# Altium PCB DM3370.PcbDoc (part 3 of 9) (continued)
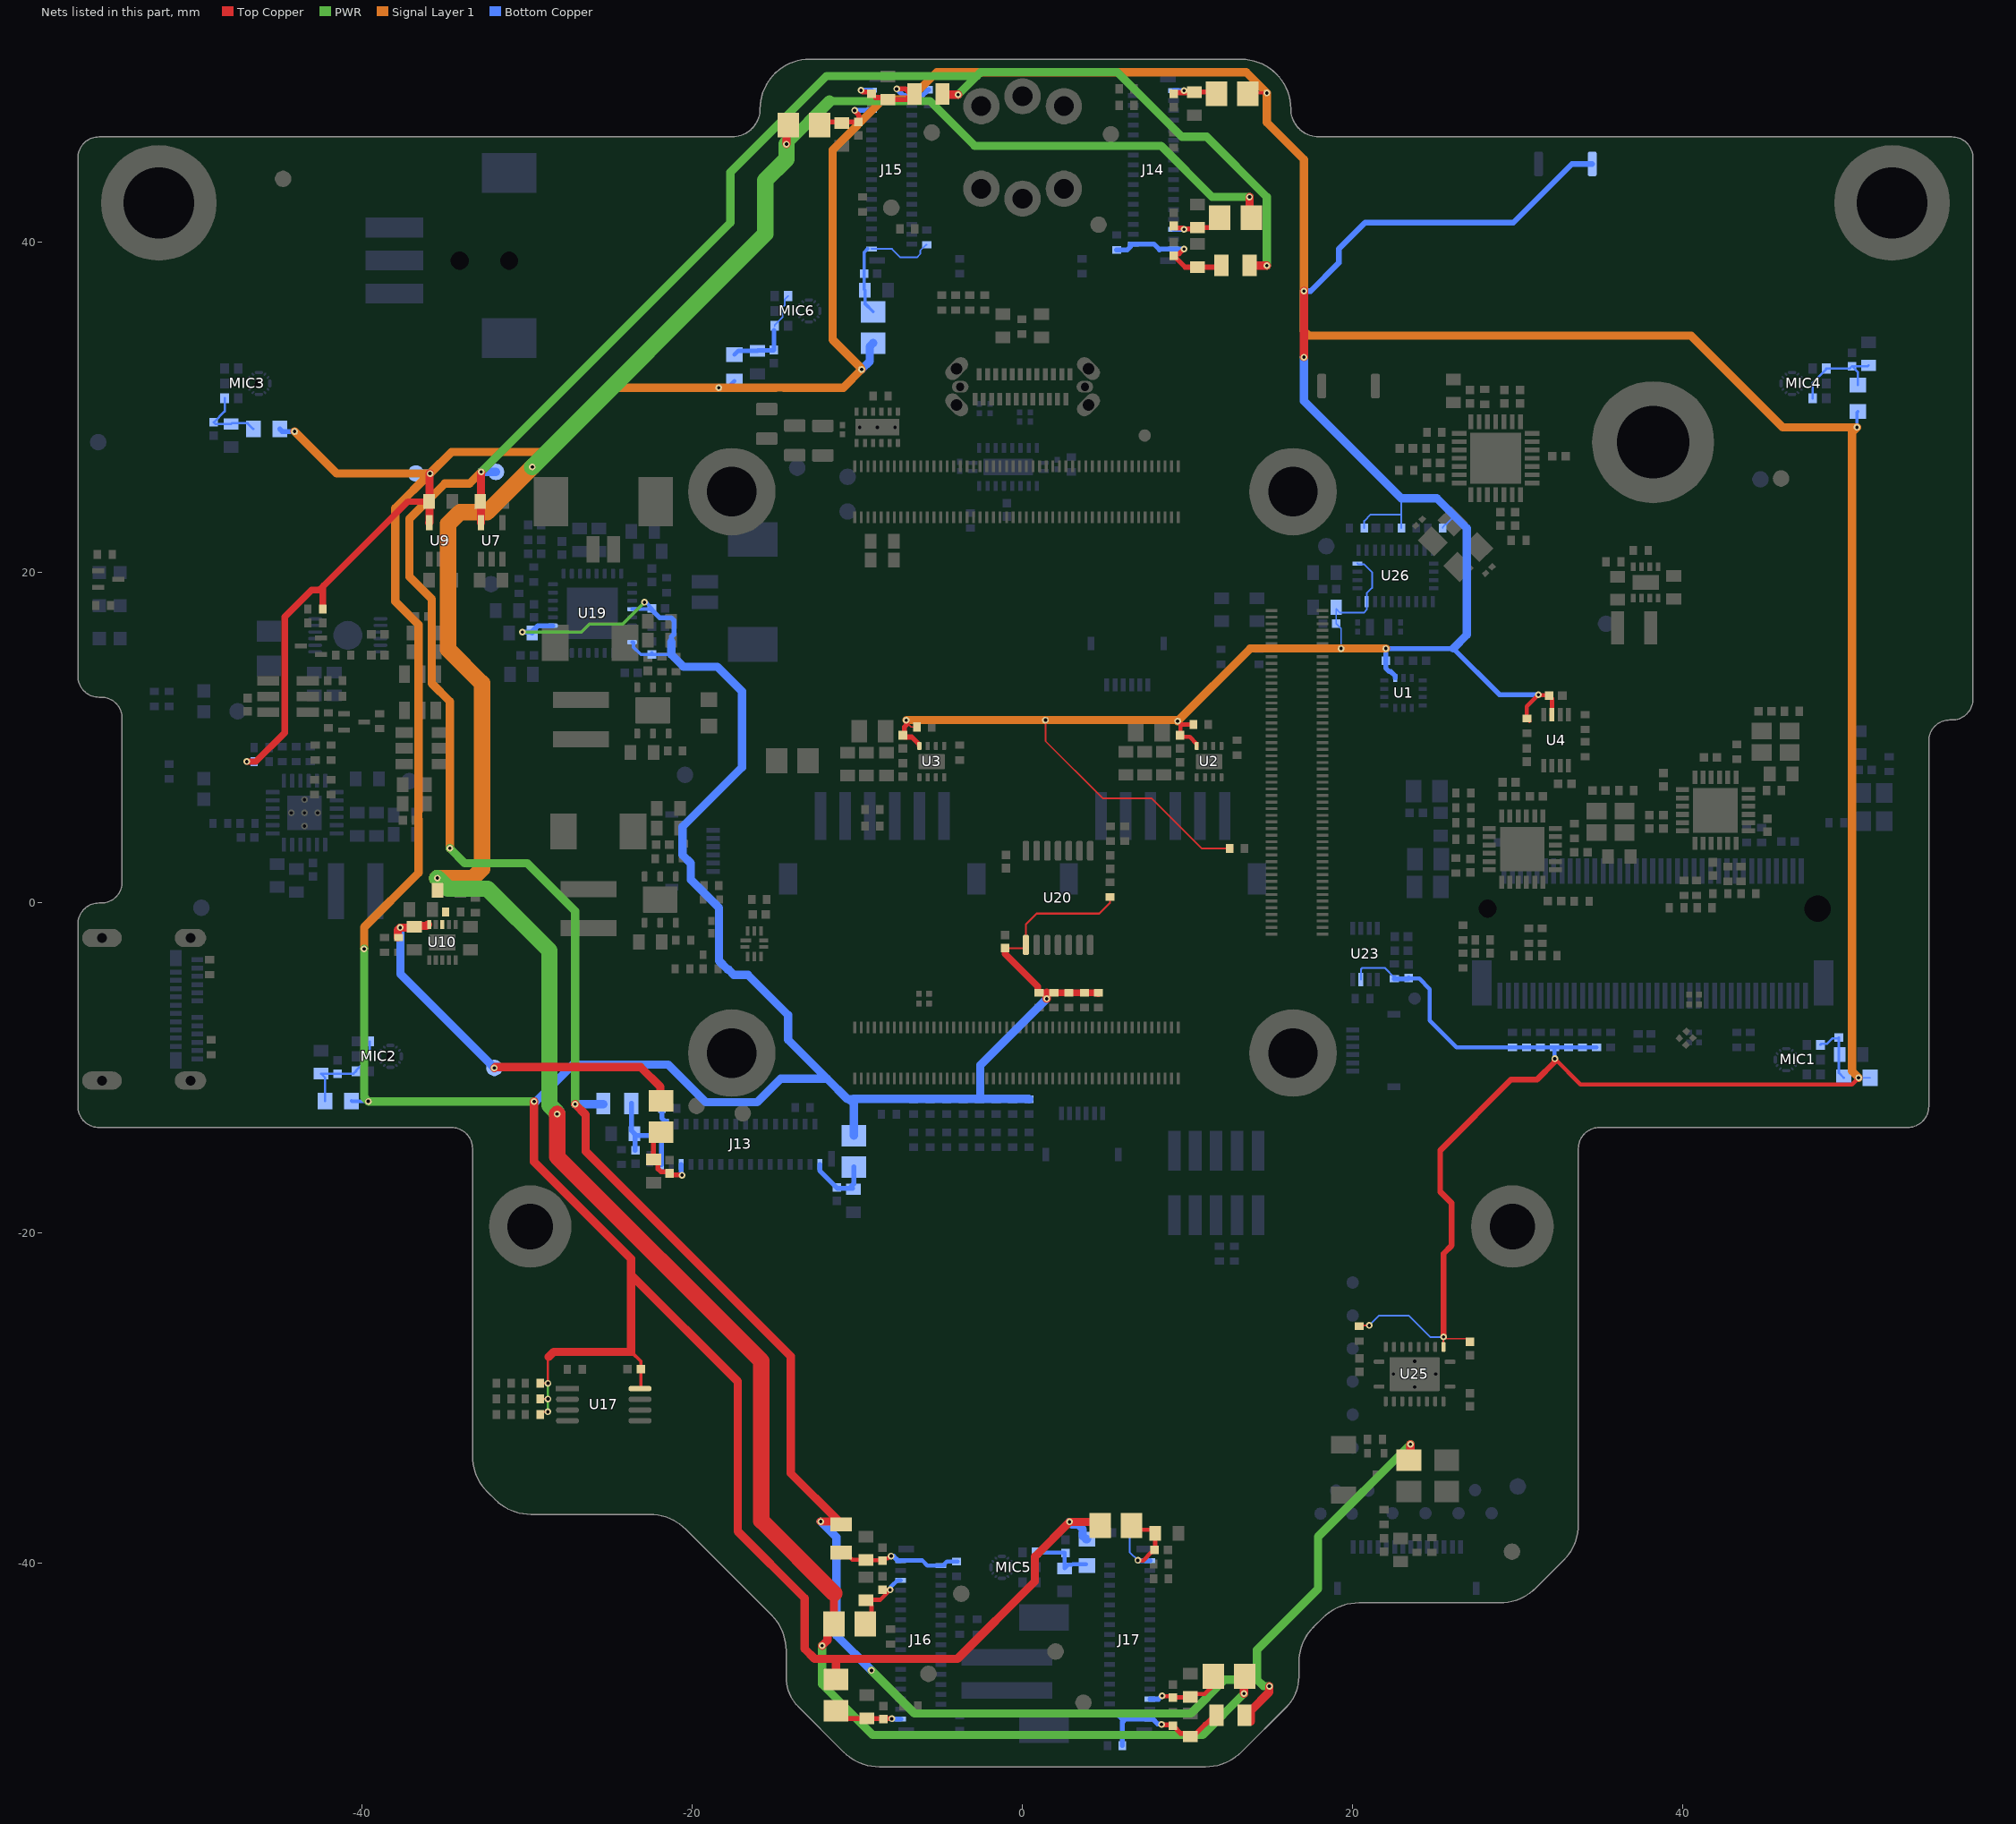
[diagram p7: the nets of this part, all layers, seen from the top]
## Part data (continued)
U15: library part CMP-023-00002-2, "Clock Generator V-QFN4040-24 T&r 3.5K", Manufacturer 1=Diodes, Max Frequency=100MHz, Max Operating Temperature=85°C, Min Operating Temperature=-40°C, Category="Clock Generators, PLLs, Frequency Synthesizers", Design Item ID=PI6CG33201CZDIEX, Input=Crystal, Manufacturer Part Number 1=PI6CG33201CZDIEX, Mount="Surface Mount", Number of Circuits=1, Packaging="Tape and Reel", PLL=Yes, Series="Automotive, AEC-Q100"
U16: library part CMP-007-00037-1, "Two Terminal Constant Current LED Driver PowerDI, 2.5V to 60V, -40 °C to 125 °C", Manufacturer 1=Diodes, Max Operating Temperature=125°C, Max Supply Voltage=60V, Min Operating Temperature=-40°C, Output Current per Channel=20mA, Dimming=PWM, Manufacturer Part Number 1=AL5809-20P1-7, Mount="Surface Mount", Number of Outputs=1, Output Voltage=60V, Packaging="Cut Tape", RoHS Compliant=Yes, Series=-
U17: library part 24AA32A-I/MS, "IC EEPROM 32K I2C 400KHZ 8MSOP Memory IC 32Kb (4K x 8) I²C 400kHz 900ns 8-MSOP", Case/Package=MSOP, Frequency=400kHz, Manufacturer 1=Microchip, Max Operating Temperature=85°C, Max Supply Voltage=5.5V, Min Operating Temperature=-40°C, Min Supply Voltage=1.7V, Nominal Supply Current=3mA, Package Quantity=100, Supplier Part Number 1=24AA32A-I/MS-ND, Access Time=3500ns, ComponentLink1Description=https://datasheet.ciiva.com/16309/filehandler-aspxddocname-en011853-16309808.pdf?src-supplier=Future+Electronics, ComponentLink1URL=https://datasheet.ciiva.com/16309/filehandler-aspxddocname-en011853-16309808.pdf?src-supplier=Future+Electronics, ComponentLink2Description=https://datasheet.ciiva.com/16621/21713l-16621382.pdf?src-supplier=Avnet+Europe, ComponentLink2URL=https://datasheet.ciiva.com/16621/21713l-16621382.pdf?src-supplier=Avnet+Europe, ComponentLink3Description=https://datasheet.ciiva.com/3185/21713l-3185209.pdf?src-supplier=Avnet, ComponentLink3URL=https://datasheet.ciiva.com/3185/21713l-3185209.pdf?src-supplier=Avnet, ComponentLink4Description=https://datasheet.ciiva.com/1154/1688094-1154810.pdf?src-supplier=Element14, ComponentLink4URL=https://datasheet.ciiva.com/1154/1688094-1154810.pdf?src-supplier=Element14, ComponentLink5Description=https://datasheet.ciiva.com/41454/001085239-da-01-en-ic-eeprom-32kbit-24aa32a-i-ms-msop-8-mcp-41454934.pdf?src-supplier=Conrad, ComponentLink5URL=https://datasheet.ciiva.com/41454/001085239-da-01-en-ic-eeprom-32kbit-24aa32a-i-ms-msop-8-mcp-41454934.pdf?src-supplier=Conrad, Contact Plating=Tin,Matte, Density=32Kb, Height=0.85mm, Interface=I2C,Serial,2-Wire, Lead Free="Lead Free", Length=3mm, Manufacturer Part Number 1=24AA32A-I/MS, Max Frequency=400kHz, Memory Size=32Kb, Memory Type=EEPROM, Mount="Surface Mount", Number of Pins=8, Packaging=Rail/Tube, Pricing 1="1=0.39000, 25=0.38120, 100=0.36050 (USD)", Radiation Hardening=No, REACH SVHC="No SVHC", RoHS=Yes, Stock 1=4213, Supplier 1=Digi-Key, Supplier 2=Mouser, Supplier 3=Newark, Supplier Part Number 2=579-24AA32A-I/MS, Supplier Part Number 3=38AH9658, Width=3mm
U18: library part CMP-019-00056-4, "Power Supply Management Circuit, Fixed, 1 Channel, PDSO12", Manufacturer 1=TI, Manufacturer Part Number 1=BQ27441DRZT-G1B
U19: library part CMP-100-000000-1, "I2S Input, 2.5W/Channel, Low EMI, Stereo, Class D Audio Sub-System with Ground Referenced Headphone Amplifier, 3D Enhancement, and Headphone Sense, 32-pin LLP, Pb-Free", Manufacturer 1="Texas Instruments", PackageTopMarking=NS*UZXYTT*L49450, PowerWise=N, ComponentLink1Description="Datasheet URL", ComponentLink1URL=http://www.ti.com/general/docs/lit/getliterature.tsp?genericPartNumber=LM49450&fileType=pdf, CompType="Audio IC", Design Item ID=LM49450SQ/NOPB, Manufacturer Part Number 1=LM49450SQ/NOPB, PackageDescription="LLP, Quad, 5 x 5 x 0.8mm, 32 Lead, 0.5mm Pitch, No Pullback 3.1 x 3.1 Exposed Pad", PackageReference=RTV0032A, PinCount=32, RoHS=Y, Source=NG2391C-HM.SchLib
U20: library part CMP-104-000008-1, "Interface Circuit, PDSO14", Manufacturer 1="Texas Instruments", Max Operating Temperature=85°C, Max Supply Voltage=3.6V, Min Operating Temperature=-40°C, Min Supply Voltage=1.65V, Package Body Material=Plastic, Package Code=TSSOP, Package Equivalence Code=TSSOP14,.25, Package Shape=Rectangular, Package Style="SMALL OUTLINE, THIN PROFILE, SHRINK PITCHMeter", Peak Reflow Temperature (Cel)=260°C, Power Supplies=1.8/3.3,2.5/5V, Supply Voltage1-Max=5.5V, Supply Voltage1-Min=2.3V, Supply Voltage1-Nom=3.3V, Supply Voltage-Nom=1.8V, Temperature Grade=INDUSTRIAL, Category="Voltage Level Shifters", ComponentLink1Description=https://www.ti.com:443/lit/ds/symlink/txs0104e.pdf?src-supplier=IHS+Markit, ComponentLink1URL=https://www.ti.com:443/lit/ds/symlink/txs0104e.pdf?src-supplier=IHS+Markit, ComponentLink2Description=https://datasheet.ciiva.com/15096/getdatasheetpartid-172988-15096218.pdf?src-supplier=Verical, ComponentLink2URL=https://datasheet.ciiva.com/15096/getdatasheetpartid-172988-15096218.pdf?src-supplier=Verical, ComponentLink3Description=https://datasheet.ciiva.com/1899/txs0104e-1899557.pdf?src-supplier=Digi-Key, ComponentLink3URL=https://datasheet.ciiva.com/1899/txs0104e-1899557.pdf?src-supplier=Digi-Key, ComponentLink4Description=https://datasheet.ciiva.com/1899/txs0104e-1899556.pdf?src-supplier=Digi-Key, ComponentLink4URL=https://datasheet.ciiva.com/1899/txs0104e-1899556.pdf?src-supplier=Digi-Key, ComponentLink5Description=https://datasheet.ciiva.com/1899/txs0104e-1899558.pdf?src-supplier=Digi-Key, ComponentLink5URL=https://datasheet.ciiva.com/1899/txs0104e-1899558.pdf?src-supplier=Digi-Key, ComponentLink6Description=https://datasheet.ciiva.com/14287/txs0104e-14287275.pdf?src-supplier=Avnet, ComponentLink6URL=https://datasheet.ciiva.com/14287/txs0104e-14287275.pdf?src-supplier=Avnet, ComponentLink7Description=https://datasheet.ciiva.com/48702/001073825-da-01-en-ic-4bit-non-inv-txs0104epwr-tssop-14-tid-48702635.pdf?src-supplier=Conrad, ComponentLink7URL=https://datasheet.ciiva.com/48702/001073825-da-01-en-ic-4bit-non-inv-txs0104epwr-tssop-14-tid-48702635.pdf?src-supplier=Conrad, Design Item ID=TXS0104EPWR, Height - Seated (Max)=1.2mm, Interface IC Type="INTERFACE CIRCUIT", JESD-30 Code=R-PDSO-G14, JESD-609 Code=e4, Length=5mm, Manufacturer Part Number 1=TXS0104EPWR, Moisture Sensitivity Level=1, Number of Functions=1, Number of Pins=14, Pricing 1="2000=0,64225 (USD)", Qualification Status="Not Qualified", REACH SVHC=Yes, RoHS=Yes, RoHS Compliant=Yes, Source=NG2391C-HM.SchLib, Stock 1=9849, Surface Mount=Yes, Terminal Finish=Nickel, Terminal Form="Gull Wing", Terminal Pitch=0.65mm, Terminal Position=DUAL, Width=4.4mm
U21: library part CMP-015-00027-1, "USB Bus Controller, CMOS", Manufacturer 1=Microchip, Manufacturer Part Number 1=USB2412-DZK
U22: library part FSUSB42UMX, "IC USB SWITCH DPDT 10UMLP", Manufacturer 1="ON Semiconductor / Fairchild", Max Operating Temperature=85°C, Max Supply Voltage=4.3V, Min Operating Temperature=-40°C, Min Supply Voltage=3V, Nominal Supply Current=1uA, On-State Resistance=6.5R, Output Current=100mA, Package Quantity=1, Supplier Part Number 1=FSUSB42UMXCT-ND, Bandwidth=720MHz, ComponentLink1Description=https://datasheet.ciiva.com/15108/getdatasheetpartid-189033-15108996.pdf?src-supplier=Verical, ComponentLink1URL=https://datasheet.ciiva.com/15108/getdatasheetpartid-189033-15108996.pdf?src-supplier=Verical, ComponentLink2Description=https://datasheet.ciiva.com/1504/1815547-1504946.pdf?src-supplier=Element14, ComponentLink2URL=https://datasheet.ciiva.com/1504/1815547-1504946.pdf?src-supplier=Element14, ComponentLink3Description=https://datasheet.ciiva.com/26074/fsusb42-26074741.pdf?src-supplier=Avnet+Europe, ComponentLink3URL=https://datasheet.ciiva.com/26074/fsusb42-26074741.pdf?src-supplier=Avnet+Europe, ComponentLink4Description=https://datasheet.ciiva.com/1561/fsusb42-1561415.pdf?src-supplier=Farnell, ComponentLink4URL=https://datasheet.ciiva.com/1561/fsusb42-1561415.pdf?src-supplier=Farnell, ComponentLink5Description=https://datasheet.ciiva.com/3233/fsusb42-3233259.pdf?src-supplier=Avnet, ComponentLink5URL=https://datasheet.ciiva.com/3233/fsusb42-3233259.pdf?src-supplier=Avnet, ComponentLink6Description=https://datasheet.ciiva.com/6638/fsusb42-6638604.pdf?src-supplier=Digi-Key, ComponentLink6URL=https://datasheet.ciiva.com/6638/fsusb42-6638604.pdf?src-supplier=Digi-Key, ComponentLink7Description=https://datasheet.ciiva.com/6638/fsusb42-6638607.pdf?src-supplier=Digi-Key, ComponentLink7URL=https://datasheet.ciiva.com/6638/fsusb42-6638607.pdf?src-supplier=Digi-Key, Data Rate=480Mbps, Height=0.5mm, Lead Free="Lead Free", Length=1.4mm, Manufacturer Part Number 1=FSUSB42UMX, Mount="Surface Mount", Number of Channels=1, Number of Inputs=2, Number of Outputs=2, Number of Pins=10, Number of Ports=2, Operating Supply Voltage=4.3V, Packaging="Tape and Reel", Pricing 1="1=0.59000, 10=0.50200, 100=0.34810, 500=0.28120, 1000=0.20755 (USD)", Propagation Delay=0.25ns, Radiation Hardening=No, REACH SVHC="No SVHC", RoHS=Yes, Stock 1=31151, Supplier 1=Digi-Key, Supplier 2=Mouser, Supplier 3=Arrow, Supplier 4=Farnell, Supplier Part Number 2=512-FSUSB42UMX, Supplier Part Number 3=FSUSB42UMX, Supplier Part Number 4=1495467, Supply Type=Single, Termination=SMD/SMT, Throw Configuration=DPDT, Turn-Off Delay Time=25ns, Turn-On Delay Time=30ns, Weight=18.08g, Width=1.8mm
U25: library part CMP-031-00032-1, "IC TRNSLTR BIDIRECTIONAL 20VQFN", Case/Package=VQFN, High Level Output Current=-50mA, Low Level Output Current=50mA, Manufacturer 1="Texas Instruments", Max Operating Temperature=85°C, Max Supply Voltage=5.5V, Min Operating Temperature=-40°C, Min Supply Voltage=1.2V, Package Quantity=1, Quiescent Current=3uA, Category="Integrated Circuits (ICs)", ComponentLink1Description=https://datasheet.ciiva.com/15096/getdatasheetpartid-189651-15096225.pdf?src-supplier=Verical, ComponentLink1URL=https://datasheet.ciiva.com/15096/getdatasheetpartid-189651-15096225.pdf?src-supplier=Verical, ComponentLink2Description=https://datasheet.ciiva.com/22659/1718976-22659572.pdf?src-supplier=Element14, ComponentLink2URL=https://datasheet.ciiva.com/22659/1718976-22659572.pdf?src-supplier=Element14, ComponentLink3Description=https://datasheet.ciiva.com/26185/txs0108e-26185177.pdf?src-supplier=Avnet+Europe, ComponentLink3URL=https://datasheet.ciiva.com/26185/txs0108e-26185177.pdf?src-supplier=Avnet+Europe, ComponentLink4Description=https://datasheet.ciiva.com/14287/txs0108e-14287692.pdf?src-supplier=Avnet, ComponentLink4URL=https://datasheet.ciiva.com/14287/txs0108e-14287692.pdf?src-supplier=Avnet, ComponentLink5Description=https://datasheet.ciiva.com/1899/txs0108e-1899610.pdf?src-supplier=Digi-Key, ComponentLink5URL=https://datasheet.ciiva.com/1899/txs0108e-1899610.pdf?src-supplier=Digi-Key, ComponentLink6Description=https://datasheet.ciiva.com/1899/txs0108e-1899611.pdf?src-supplier=Digi-Key, ComponentLink6URL=https://datasheet.ciiva.com/1899/txs0108e-1899611.pdf?src-supplier=Digi-Key, ComponentLink7Description=https://datasheet.ciiva.com/1899/txs0108e-1899612.pdf?src-supplier=Digi-Key, ComponentLink7URL=https://datasheet.ciiva.com/1899/txs0108e-1899612.pdf?src-supplier=Digi-Key, ComponentLink8Description=https://datasheet.ciiva.com/14287/txs0108e-14287533.pdf?src-supplier=Avnet, ComponentLink8URL=https://datasheet.ciiva.com/14287/txs0108e-14287533.pdf?src-supplier=Avnet, ComponentLink9Description=https://datasheet.ciiva.com/48701/001073880-da-01-en-ic-xlatr-volt-lv-txs0108ergyr-qfn-20-tid-48701964.pdf?src-supplier=Conrad, ComponentLink9URL=https://datasheet.ciiva.com/48701/001073880-da-01-en-ic-xlatr-volt-lv-txs0108ergyr-qfn-20-tid-48701964.pdf?src-supplier=Conrad, Data Rate=60Mbps, Design Item ID=TXS0108ERGYR, Lead Free="Lead Free", Logic Function=Translator, Manufacturer Part Number 1=TXS0108ERGYR, Mount="Surface Mount", Number of Bits=8, Number of Channels=8, Number of Inputs=8, Output Type=Voltage, Packaging="Tape and Reel", Pins=20, Pricing 1="1=1.42000, 10=1.26600, 25=1.20120, 100=0.98670, 250=0.92236, 500=0.81510, 1000=0.64350 (USD)", Propagation Delay=4.8ns, Radiation Hardening=No, REACH SVHC="No SVHC", RoHS=Yes, Source=LuxonisMaster.SchLib, Stock 1=122729, Turn-On Delay Time=312ns, Weight=0.001517oz
U26: "IMU ACCEL/GYRO/MAG I2C 32BIT", Case/Package=LGA, Manufacturer 1="Hillcrest Laboratories", Max Operating Temperature=85°C, Min Operating Temperature=-40°C, Supplier Part Number 1=1888-1006-1-ND, Category="Inertial Measurement Units (IMUs)", ComponentLink1Description=https://www.hillcrestlabs.com/downloads/bno080-datasheet?src-supplier=Digi-Key, ComponentLink1URL=https://www.hillcrestlabs.com/downloads/bno080-datasheet?src-supplier=Digi-Key, ComponentLink2Description=https://www.hillcrestlabs.com/downloads/bno080-migration-guide?src-supplier=Digi-Key, ComponentLink2URL=https://www.hillcrestlabs.com/downloads/bno080-migration-guide?src-supplier=Digi-Key, Manufacturer Part Number 1=BNO085, Mount="Surface Mount", Output Type=SPI,I2C, Packaging="Tape and Reel", Pricing 1="1=11.85000, 5=10.31200, 10=9.28100, 25=8.25000, 50=7.63120, 100=6.60000, 500=6.18750, 1000=5.77500 (USD)", RoHS=No, Sensor Type=Accelerometer,Gyroscope,Magnetometer, Stock 1=11593, Supplier 1=Digi-Key
X1: library part CMP-006-000005-1, "CRYSTAL 24.0000MHZ 10PF SMD", Manufacturer 1=Abracon, Category=Crystals, ComponentLink1Description=https://datasheet.ciiva.com/854/abm8g-854913.pdf?src-supplier=Digi-Key, ComponentLink1URL=https://datasheet.ciiva.com/854/abm8g-854913.pdf?src-supplier=Digi-Key, ComponentLink2Description=https://datasheet.ciiva.com/854/abm8g-854911.pdf?src-supplier=Digi-Key, ComponentLink2URL=https://datasheet.ciiva.com/854/abm8g-854911.pdf?src-supplier=Digi-Key, ComponentLink3Description=https://datasheet.ciiva.com/854/abm8g-854912.pdf?src-supplier=Digi-Key, ComponentLink3URL=https://datasheet.ciiva.com/854/abm8g-854912.pdf?src-supplier=Digi-Key, Design Item ID=ABM8G-24.000MHZ-4Y-T3, Manufacturer Part Number 1=ABM8G-24.000MHZ-4Y-T3, Pricing 1="1=0,67000, 10=0,59600, 50=0,55720, 100=0,49250, 500=0,46656, 1000=0,38880 (USD)", RoHS=Yes, Source=LuxonisMaster.SchLib, Stock 1=4722
Y1: "CRYSTAL 32.7680KHZ 12.5PF SMD", Case/Package=SMD/SMT, Frequency=32.768kHz, Manufacturer 1=Abracon, Manufacturer Part Number 1=ABS05-32.768KHZ-T, Max Operating Temperature=85°C, Min Operating Temperature=-40°C, Tolerance=20ppm, Pins=2

## Free pads (board coordinates)
  round 7 hole 4.3 paste-2: 0(-52.325,42.391) 0(52.675,42.391)
  round 5 hole 2.75 paste-2: 0(-29.825,-19.609) 0(29.675,-19.609)

## Via types
v1: diameter 0.406, hole 0.203, Top Copper to Bottom Copper, tented both sides, 1733 vias
v2: diameter 0.508, hole 0.254, Top Copper to Bottom Copper, 16 vias
v3: diameter 0.5, hole 0.2, Top Copper to Bottom Copper, 13 vias
v4: diameter 0.6, hole 0.3, Top Copper to Bottom Copper, 6 vias
v5: diameter 0.406, hole 0.203, Top Copper to Bottom Copper, 2 vias

## Nets (pads, with @x,y where several pads share a name; then routed paths per layer and width w, separated by ;. In a path a pad name is that pad's centre, name@x,y a point inside that pad or via, vN(x,y) a via of type N, cw(c..) or ccw(c..) an arc to the next point about the centre after c; other vN are vias at no path point)
1V0: C119.2 FB6.1 R64.2 TP33.1 U10.10 | length 24.7
  Top Copper w0.5: R64.2@-37.85,-2.1 -37.85,-1.65 v1(-37.7,-1.5) -36.9,-1.5 C119.2@-36.85,-1.45 -36.8,-1.4 -36.108,-1.4 U10.10@-36.029,-1.321 ; v1(-32,-10) -31.95,-9.95 -28.2,-9.95 -23.141,-9.95 -21.941,-11.15 -21.941,-11.959 FB6.1@-21.9,-12
  Bottom Copper w0.5: v1@-37.687,-1.513 -37.687,-3.175 -37.687,-4.313 v1(-32,-10)
1V0_IMX214: C73.2 C74.2 FB6.2 J13.29 | length 4.7
  Top Copper w0.3: FB6.2@-21.9,-14.05 -22.35,-14.5 C74.2@-22.35,-15.55 -22.282,-15.55 -22.082,-15.75 -22.082,-16.118 -21.9,-16.3 -21.389,-16.3 -21.272,-16.417 -21.272,-16.482 -20.645,-16.482 v1(-20.624,-16.502)
  Bottom Copper w0.3: J13.29@-20.682,-15.85 -20.682,-16.415 -20.624,-16.473 v1(-20.624,-16.502)
1V2: C120.2 FB9.1 FB12.1 FB15.1 FB18.1 R67.1 TP34.1 U10.8 | length 180.1
  Top Copper w0.5: v1(-14.3,45.95) -14.3,47 FB12.1@-14.2,47.1 ; v1(-12.15,-45) -11.822,-44.672 -11.822,-44.078 FB15.1@-11.422,-43.678 -11.422,-41.823 ; v1(13.415,-47.89) 13.415,-47.347 FB18.1@13.462,-47.3 ; v1(13.75,42.75) 13.75,41.6 FB9.1@13.85,41.5
  Top Copper w1: v1(-28.2,-12.8) -28.2,-15.379 -15.819,-27.759 -15.819,-37.426 -11.422,-41.823
  PWR w0.5: v1(-12.15,-45) -12.15,-47.33 -9.08,-50.4 10.905,-50.4 v1(13.415,-47.89) ; -11.688,48.562 -5.612,48.562 -2.9,45.85 8.385,45.85 11.485,42.75 v1(13.75,42.75)
  PWR w0.7: v1(-14.3,45.95) -11.688,48.562
  PWR w1: v1(-35.45,1.5) -34.803,0.853 -32.414,0.853 -28.665,-2.896 -28.665,-12.253 -28.207,-12.711 -28.207,-12.793 v1(-28.2,-12.8) ; v1(-29.7,26.4) -15.592,40.508 -15.592,43.758 -14.3,45.05 v1(-14.3,45.95)
  Signal Layer 1 w1: v1(-35.45,1.5) -33.3,1.5 -32.75,2.05 -32.75,13.3 -34.8,15.35 -34.8,22.944 -34.084,23.66 -32.44,23.66 v1(-29.7,26.4)
1V2_OV9782_1: C79.2 C80.2 FB9.2 J14.29 | length 3.9
  Top Copper w0.3: C79.2@9.15,40.993 9.26,40.883 9.671,40.883 9.761,40.793 v1(9.79,40.793) 9.81,40.813 10.513,40.813 C80.2@10.6,40.9 11.45,40.9 11.95,41.4 FB9.2@11.95,41.5
  Bottom Copper w0.3: J14.29@9.15,40.793 v1(9.79,40.793)
1V2_OV9782_2: C85.2 C86.2 FB12.2 J15.29 | length 4.3
  Top Copper w0.3: FB12.2@-12.3,47.1 -12.113,47.287 -10.95,47.287 C85.2@-9.95,47.287 -9.922,47.315 -9.922,47.709 -10.174,47.962 v1(-10.174,47.99)
  Bottom Copper w0.3: v1(-10.174,47.99) -10.157,48.007 J15.29@-9.15,48.007
1V2_OV9782_3: C91.2 C92.2 FB15.2 J16.29 | length 5
  Top Copper w0.25: FB15.2@-9.522,-43.678 -9.15,-43.305 -9.15,-42.588 -9.162,-42.575 -9.162,-42.475 -9.387,-42.25 C92.2@-9.487,-42.25 -9.454,-42.216 -8.62,-42.216 v1(-8.022,-41.618) ; C91.2@-8.488,-41.6 -8.479,-41.609 -7.953,-41.609 v1@-7.949,-41.612
  Bottom Copper w0.25: v1(-8.022,-41.618) -7.992,-41.588 -7.992,-41.444 -7.785,-41.237 -7.764,-41.237 -7.562,-41.035 J16.29@-7.387,-41.035
1V2_OV9782_4: C97.2 C98.2 FB18.2 J17.29 | length 4.4
  Top Copper w0.25: v1(8.457,-48.038) 8.487,-48.068 9.03,-48.068 C97.2@9.112,-48.15 9.138,-48.125 10.137,-48.125 C98.2@10.162,-48.1 10.338,-47.925 11.037,-47.925 11.562,-47.4 FB18.2@11.562,-47.3
  Bottom Copper w0.3: J17.29@7.713,-48.235 8.231,-48.235 8.428,-48.038 v1(8.457,-48.038)
1V8: B3.1 C2.2 C3.2 C8.2 C21.2 C36.2 C103.2 C130.2 C131.2 C138.2 C143.2 C159.2 C171.2 C175.2 C176.2 FB5.1 FB8.1 FB11.1 FB14.1 FB17.1 L4.1 L5.1 L6.1 L7.1 L8.1 L9.1 R5.1 R6.1 R7.1 R8.1 R9.1 R10.1 R24.1 R28.1 R29.1 R30.1 R31.1 R32.1 R33.1 R34.1 R35.2 R51.2 R52.1 R70.1 R92.2 R118.1 R146.2 R147.2 R148.2 R154.1 R155.1 R166.1 R171.1 R172.1 R173.1 R176.2 R179.2 R183.2 R184.1 R185.1 R198.1 TP3.1 U1.5 U2.8 U3.8 U4.3 U9.5 U17.8 U19.11 U19.28 U19.32 U20.1 U23.3 U25.2 U26.5 U26.28 | length 654.9
  Top Copper w0.102: R148.2@-29.225,-31 -29.058,-30.833 v1(-28.753,-30.833) ; R147.2@-29.225,-30.05 v1(-28.75,-30.05) ; R146.2@-29.225,-29.1 v1(-28.75,-29.1) ; v1@-7,10.907 -6.743,10.65 R28.1@-6.4,10.65 ; v1(1.39,11.065) 1.39,9.796 4.869,6.317 7.833,6.317 10.85,3.3 R52.1@12.715,3.3 ; R179.2@20.4,-25.65 20.45,-25.6 v1(21,-25.6) ; U25.2@25.5,-26.9 v1(25.5,-26.3) 25.582,-26.3 25.682,-26.4 26.9,-26.4 C171.2@27.1,-26.6
  Top Copper w0.127: v1(-28.75,-29.1) -28.75,-27.55 -28.7,-27.5 ; C143.2@-1.05,-2.75 0.066,-2.75 0.2,-2.616 U20.1@0.2,-2.55 0.2,-1.3 0.85,-0.65 4.65,-0.65 5.3,0 R92.2@5.3,0.35
  Top Copper w0.2: -23.7,-27.2 -23.125,-27.775 C103.2@-23.125,-28.25 ; U17.8@-23.175,-29.425 -23.125,-29.375 C103.2@-23.125,-28.25 ; C103.2@-23.1,-28.225 C103.2@-23.125,-28.25 ; FB8.1@13.65,49 13.7,49.05 v1(14.8,49.05)
  Top Copper w0.25: v1(9.394,11.006) 9.575,10.824 9.575,10.175 C3.2@9.55,10.15 9.65,10.05 10.125,10.05 10.55,9.625 U2.8@10.55,9.5 ; 9.599,10.8 R24.1@10.35,10.8 ; R51.2@30.55,11.163 30.55,11.9 v1(31.25,12.6) 31.275,12.575 31.875,12.575 C21.2@31.9,12.55 32.075,12.375 U4.3@32.075,11.4 U4.3@32.05,11.375 ; R51.2@30.6,11.163 30.7,11.063 R51.2@30.7,11.013 ; v1(32.242,-9.444) 33.796,-10.997 50.253,-10.997 v1(50.65,-10.6)
  Top Copper w0.3: v1(-7.05,11.05) -7.03,11.03 -7.03,10.839 -7,10.81 ; v1@-7,10.907 -7,10.81 ; U3.8@-6.25,9.5 -6.25,9.575 -6.715,10.04 -7.14,10.04 C8.2@-7.25,10.15 -7.169,10.231 -7.169,10.641 -7,10.81
  Top Copper w0.35: v1(25.5,-26.3) 25.5,-21.249 26,-20.749 26,-18.2 25.3,-17.5 25.3,-15 29.6,-10.7 31.179,-10.7 32.231,-9.647 32.231,-9.454 v1(32.242,-9.444)
  Top Copper w0.4: v1(-46.995,8.55) -46.45,8.55 -44.705,10.295 -44.705,13.02 -44.705,16.961 ; -44.7,16.966 -44.705,16.961 ; R198.1@-42.4,17.8 -42.4,19.15 ; -42.337,19.213 -42.4,19.15 ; C36.2@-35.95,24.3 -37.25,24.3 -42.4,19.15 ; C143.2@-1.05,-2.75 -1.05,-3.1 0.925,-5.075 0.925,-5.425 0.95,-5.45 R173.1@1,-5.45 1.464,-5.45 R118.1@1.9,-5.45 R166.1@2.8,-5.45 R171.1@3.75,-5.45 4.5,-5.45 4.55,-5.5 R172.1@4.6,-5.5 ; -44.705,16.961 -44.705,17.322 -43.077,18.95 -42.6,18.95 -42.4,19.15
  Top Copper w0.5: U9.5@-35.95,23.021 -35.925,23.046 -35.925,25.975 v1(-35.9,26) ; v1(-29.587,-12.032) -29.596,-12.041 -29.596,-15.683 -23.713,-21.566 -23.713,-22.617 -23.713,-27.2 ; -28.7,-27.5 -28.4,-27.2 -23.7,-27.2 ; -23.633,-22.617 -17.256,-28.994 -17.256,-38.069 -13.2,-42.125 -13.2,-45.183 -12.592,-45.792 -11.3,-45.792 -4.412,-45.792 -4.41,-45.793 -3.943,-45.793 0.75,-41.1 0.75,-39.6 v1(2.85,-37.5) FB17.1@4.95,-37.5 ; FB14.1@-11.3,-47.05 -11.3,-45.898 ; v1(1.459,-5.815) 1.459,-5.455 1.464,-5.45 ; v1(17.05,33.05) v1(17.05,37.05)
  PWR w0.127: v1(-28.753,-30.833) -28.75,-30.83 v1(-28.75,-30.05) v1(-28.75,-29.1)
  PWR w0.2: v1(-30.3,16.4) -26.733,16.4 -26.244,16.889 -24.215,16.889 v1(-22.899,18.204)
  PWR w0.5: v1@-39.882,-2.794 -39.882,-11.783 -39.633,-12.032 v1(-29.587,-12.032)
  Signal Layer 1 w0.5: v1(-44.1,28.55) -41.55,26 v1(-35.9,26) ; v1(-39.889,-2.794) -39.889,-1.476 -36.594,1.819 -36.594,5.059 -36.605,5.07 -36.605,5.53 -36.594,5.541 -36.594,16.844 -38,18.25 -38,23.9 v1(-35.9,26) ; v1@-9.8,32.4 -11.506,34.106 -11.506,45.594 -8.45,48.65 -6.85,48.65 -5.197,50.303 13.547,50.303 v1(14.8,49.05) 14.8,47.273 17.05,45.023 v1(17.05,37.05) 17.05,34.643 17.343,34.35 40.5,34.35 46.05,28.8 v1(50.55,28.8) 50.245,28.495 50.245,-10.195 v1(50.65,-10.6) ; v1(-9.751,32.302) -10.853,31.2 -14.465,31.2 -14.47,31.205 -14.93,31.205 -14.935,31.2 v1(-18.4,31.2) -24.7,31.2 -28.6,27.3 -34.6,27.3 v1(-35.9,26) ; v1@-7.023,11.077 1.378,11.077 v1(1.39,11.065) 9.335,11.065 v1(9.394,11.006) 13.788,15.4 v1(19.3,15.4) 19.305,15.405 v1(22.005,15.405)
  Bottom Copper w0.102: v1(-46.995,8.55) R70.1@-46.55,8.55 ; v1(19.3,15.4) 19.3,16.6 C176.2@19,16.9 19,17.8 19.23,17.57 20.67,17.57 20.85,17.75 U26.28@20.85,18.238 20.85,18.75 21.174,19.074 21.174,20.026 20.7,20.5 20.338,20.5 U26.5@20.288,20.55 ; R183.2@20.7,22.7 20.7,23.129 21.085,23.515 22.95,23.515 ; v1(21,-25.6) 21.6,-25 23.4,-25 24.7,-26.3 v1(25.5,-26.3) ; 22.945,24.5 22.95,24.495 22.95,23.515 ; R184.1@22.95,22.7 22.95,23.515 ; R185.1@25.45,22.7 25.45,22.75 25.624,22.924 25.674,22.924 26.005,23.255 ; v1(50.65,-10.6) L4.1@51.35,-10.6
  Bottom Copper w0.127: U23.3@20.5,-4.65 20.5,-4.024 20.574,-3.95 21.95,-3.95 R176.2@22.527,-4.527
  Bottom Copper w0.2: L5.1@-40.65,-12 -40.625,-12.025 v1(-39.64,-12.025) ; U19.32@-23.657,15.787 -23.594,15.787 -23.569,15.762 -23.569,15.479 -23.126,15.037 -22.555,15.037 C138.2@-22.457,15.135 ; U19.28@-23.657,17.787 -22.507,17.787 C131.2@-22.457,17.837 -22.759,18.138 -22.759,18.177 -22.769,18.187 -22.882,18.187 v1(-22.899,18.204) ; C138.2@-22.457,15.037 -21.278,15.037 ; R5.1@-6.6,-11.9 R154.1@-5.6,-11.9 ; R155.1@-4.6,-11.9 R6.1@-3.6,-11.9 ; R7.1@-2.6,-11.9 R7.1@-2.6,-11.875 ; R8.1@-1.6,-11.9 R9.1@-0.6,-11.9 R10.1@0.4,-11.9 ; v1(50.55,28.8) 50.55,29.7 L7.1@50.6,29.75
  Bottom Copper w0.25: v1(-18.4,31.2) -18.358,31.2 -18.283,31.275 -17.775,31.275 L9.1@-17.45,31.6 ; R176.2@22.527,-4.527 22.55,-4.527 22.565,-4.542 R176.2@22.565,-4.6 ; C159.2@23.35,-4.6 23.365,-4.585 24.035,-4.585 24.674,-5.224 24.674,-7.124 26.3,-8.75 R29.1@29.675,-8.75 R30.1@30.525,-8.75 R31.1@31.375,-8.75 R32.1@32.225,-8.75 ; v1(32.242,-9.444) 32.234,-9.435 32.234,-8.759 R32.1@32.225,-8.75 ; R35.2@34.775,-8.75 R34.1@33.925,-8.75 R33.1@33.075,-8.75 R32.1@32.225,-8.75
  Bottom Copper w0.3: L6.1@-45,28.7 -44.85,28.55 v1(-44.1,28.55) ; v1(-30.3,16.4) -29.77,16.4 C130.2@-29.707,16.337 ; C130.2@-29.707,16.437 -29.369,16.775 -28.469,16.775 U19.11@-28.457,16.787 ; C131.2@-22.507,17.787 -21.993,17.272 -21.292,17.272 -21.116,17.097 -21.116,16.262 -21.278,16.1 -21.278,15.806 ; R176.2@22.527,-4.6 22.565,-4.6 C159.2@23.35,-4.6 ; U1.5@22.579,13.622 22.579,13.734 22.307,14.006 22.215,14.006 22.005,14.216 C2.2@22.005,14.667 v1(22.005,15.405) 26.095,15.405 28.9,12.6 v1(31.25,12.6) ; C159.2@23.365,-4.585 C159.2@23.4,-4.55
  Bottom Copper w0.35: v1(17.05,37.05) 17.45,37.05 19.15,38.75 19.15,39.6 20.75,41.2 29.738,41.2 33.288,44.75 B3.1@34.513,44.75
  Bottom Copper w0.5: TP3.1@-36.75,26 v1(-35.9,26) ; v1(-29.587,-12.032) -29.482,-12.032 -27.25,-9.8 -21.469,-9.8 -19.189,-12.08 -16.081,-12.08 -14.651,-10.65 -11.85,-10.65 ; -21.278,15.806 -21.278,15.037 -20.541,14.3 -18.5,14.3 -17,12.8 -17,8.203 -20.6,4.603 -20.6,2.9 -20.1,2.4 -20.1,1.4 -18.394,-0.306 -18.394,-3.513 -17.862,-4.045 -17.812,-4.045 -17.494,-4.364 -16.636,-4.364 -14.203,-6.797 -14.203,-8.297 -11.85,-10.65 ; FB5.1@-10.225,-14.1 -10.225,-12.175 -10.445,-11.955 -10.33,-11.955 ; v1(-9.751,32.302) -9.26,32.793 -9.26,33.69 FB11.1@-9.05,33.9 ; R5.1@-6.625,-11.875 -10.25,-11.875 -10.33,-11.955 ; R5.1@-6.6,-11.875 -2.6,-11.875 R7.1@-2.555,-11.875 ; R10.1@0.4,-11.9 0.375,-11.875 R7.1@-2.555,-11.875 ; v1@1.424,-5.85 -2.555,-9.829 R7.1@-2.555,-11.875 ; v1(2.85,-37.5) 3,-37.65 3.357,-37.65 3.65,-37.943 3.65,-38.35 3.85,-38.55 L8.1@3.9,-38.55 ; v1(17.05,33.05) 17.05,30.395 22.945,24.5 25.1,24.5 26.919,22.681 26.919,16.229 26.095,15.405 ; -11.85,-10.65 -10.609,-11.891 -10.394,-11.891 -10.33,-11.955
1V8_IMX214: C75.2 C76.2 FB5.2 J13.1 | length 4.4
  Bottom Copper w0.102: C76.2@-10.35,-17.25 -10.3,-17.3 C76.2@-10.25,-17.35 ; FB5.2@-10.25,-16.025 FB5.2@-10.225,-16
  Bottom Copper w0.3: J13.1@-12.282,-15.85 -12.282,-16.218 -11.2,-17.3 C76.2@-10.5,-17.3 ; C76.2@-10.3,-17.3 C76.2@-10.5,-17.3 ; FB5.2@-10.225,-16 -10.225,-17.025 C76.2@-10.5,-17.3
1V8_MIC_1L: C104.2 C105.2 L4.2 MIC1.5 | length 3.9
  Bottom Copper w0.14: MIC1.5@48.339,-8.6 48.396,-8.543 48.728,-8.543 49.062,-8.209 49.391,-8.209 C105.2@49.45,-8.15 49.45,-9.2 49.45,-10.3 L4.2@49.75,-10.6
1V8_MIC_1R: C106.2 C107.2 L5.2 MIC2.2 MIC2.5 | length 6.1
  Bottom Copper w0.14: L5.2@-42.25,-12 -42.25,-10.6 C106.2@-42.5,-10.35 C107.2@-41.5,-10.35 -40.524,-10.35 MIC2.5@-40.374,-10.2 -40.374,-10.161 -39.85,-9.637 -39.85,-9.4 -39.552,-9.102 MIC2.2@-39.552,-8.4
1V8_MIC_2L: C108.2 C109.2 L6.2 MIC3.5 | length 4.3
  Bottom Copper w0.14: MIC3.5@-48.339,30.559 -48.339,29.761 C108.2@-49,29.1 -48.9,29 C109.2@-47.95,29 -47.9,29.05 -46.95,29.05 L6.2@-46.6,28.7
1V8_MIC_2R: C110.2 C111.2 L7.2 MIC4.2 MIC4.5 | length 6.1
  Bottom Copper w0.14: MIC4.2@47.867,30.559 47.867,31.498 48.689,32.32 MIC4.5@48.689,32.359 50.109,32.359 C111.2@50.25,32.5 ; L7.2@50.6,31.35 50.6,32.15 C111.2@50.25,32.5 ; C110.2@51.25,32.55 51.2,32.5 C111.2@50.25,32.5
1V8_MIC_3L: C112.2 C113.2 L8.2 MIC5.5 | length 4.1
  Bottom Copper w0.245: MIC5.5@0.824,-39.35 0.83,-39.356 2.55,-39.356 C113.2@2.55,-40.313 2.778,-40.085 3.01,-40.085 3.032,-40.063 L8.2@3.85,-40.063
1V8_MIC_3R: C114.2 C115.2 L9.2 MIC6.2 MIC6.5 | length 5.9
  Bottom Copper w0.102: MIC6.5@-15.015,34.911 -15.015,34.998 -14.55,35.463 -14.55,36.056 -14.412,36.195 -14.412,36.54 MIC6.2@-14.202,36.75
  Bottom Copper w0.254: L9.2@-17.45,33.2 -17.216,33.434 C114.2@-16.062,33.434 -16.037,33.459 -15.087,33.459 C115.2@-15.062,33.484 MIC6.5@-15.062,34.686
1V8_OV9782_1: C81.2 C82.2 FB8.2 J14.1 | length 4
  Top Copper w0.102: C81.2@9.15,48.993 9.204,49.046 9.35,49.193 v1(9.79,49.193)
  Top Copper w0.3: C81.2@9.204,49.046 10.346,49.046 C82.2@10.4,49.1 11.65,49.1 FB8.2@11.75,49
  Bottom Copper w0.3: J14.1@9.15,49.193 v1(9.79,49.193)
1V8_OV9782_2: C87.2 C88.2 FB11.2 J15.1 R130.2 | length 8.1
  Bottom Copper w0.102: J15.1@-9.15,39.607 -7.907,39.607 -7.394,39.094 -6.403,39.094 -6.194,39.303 -6.194,39.506 -5.85,39.85 R130.2@-5.8,39.85
  Bottom Copper w0.2: J15.1@-9.393,39.607 -9.6,39.4 -9.6,37.15 C88.2@-9.55,37.1 -9.55,36.3 FB11.2@-9.05,35.8
1V8_OV9782_3: C93.2 C94.2 FB14.2 J16.1 | length 3.4
  Top Copper w0.3: FB14.2@-10.788,-49.4 -10.765,-49.423 v1(-7.927,-49.423)
  Bottom Copper w0.3: v1(-7.927,-49.423) -7.915,-49.435 J16.1@-7.387,-49.435
1V8_OV9782_4: C99.2 C100.2 FB17.2 J17.1 R139.2 | length 6.3
  Top Copper w0.25: FB17.2@6.85,-37.75 7.075,-37.975 7.809,-37.975 C100.2@8.034,-38.2 C99.2@8.034,-39.166 ; v1(6.981,-39.829) 6.99,-39.838 7.307,-39.838 7.81,-39.335 7.865,-39.335 C99.2@8,-39.2
  Bottom Copper w0.102: R139.2@6.325,-38.037 R139.2@6.35,-38.062 ; R139.2@6.35,-38.15 6.5,-38.3 6.5,-39.348 v1(6.981,-39.829)
  Bottom Copper w0.3: v1(6.981,-39.829) 6.987,-39.835 J17.1@7.713,-39.835
2V8: C31.2 FB19.1 R19.1 R170.1 R177.1 R178.1 R199.1 TP2.1 U7.5 | length 214.3
  Top Copper w0.5: U7.5@-32.812,23.021 -32.806,23.027 -32.806,26.044 v1@-32.8,26.05 ; v1(-27.1,-12.2) -26.467,-12.833 -26.467,-15.052 -14.046,-27.474 -14.046,-34.554 -11.15,-37.45 -11.177,-37.477 v1(-12.224,-37.477) ; R170.1@-4.85,48.95 v1(-3.9,48.95) ; R178.1@13.831,-49.581 13.831,-48.92 14.95,-47.801 v1(14.95,-47.45) ; R19.1@13.85,38.6 v1(14.8,38.6) ; FB19.1@23.4,-33.75 23.5,-33.65 v1(23.5,-32.8)
  PWR w0.5: v1(-34.7,3.3) -33.8,2.4 -30,2.4 -27.1,-0.5 v1(-27.1,-12.2) ; v1(-32.8,26.1) -17.7,41.2 -17.7,44.25 -11.872,50.078 -2.772,50.078 ; v1(-9.15,-46.5) -6.55,-49.1 10.2,-49.1 12.25,-47.05 14.2,-47.05 ; v1(-3.9,48.95) -2.772,50.078 ; v1(14.8,38.6) 14.8,42.75 11.155,46.395 9.655,46.395 5.737,50.313 -2.537,50.313 -2.772,50.078 ; v1(14.95,-47.45) 14.6,-47.45 14.2,-47.05 ; v1(23.5,-32.8) 17.9,-38.4 17.9,-41.55 14.2,-45.25 14.2,-47.05
  Signal Layer 1 w0.5: v1(-34.7,3.3) -34.7,12.2 -35.796,13.296 -35.796,18.396 -37.15,19.75 -37.15,23.25 -35,25.4 -33.5,25.4 v1(-32.8,26.1)
  Bottom Copper w0.5: v1(-32.8,26.1) TP2.1@-31.9,26.1 ; v1(-27.1,-12.2) R199.1@-25.4,-12.2 ; v1(-12.224,-37.477) -11.274,-38.427 -11.274,-44.376 v1(-9.15,-46.5)
2V8_IMX214: C77.2 C78.2 J13.32 J13.33 R124.1 R199.2 | length 8.3
  Bottom Copper w0.3: R199.2@-23.7,-12.15 -23.7,-13.795 C78.2@-23.514,-13.981 ; C77.2@-23.475,-15 -23.475,-14.1 -22.132,-14.1 -21.882,-14.349 ; J13.33@-21.882,-15.85 -21.882,-14.349 ; R124.1@-21.85,-12.34 R124.1@-21.85,-12.45 -21.85,-13.049 -21.674,-13.225 -21.575,-13.225 J13.32@-21.575,-13.4 -21.575,-13.575 -21.882,-13.882 -21.882,-14.349
2V8_OV9782_1: C83.2 C84.2 J14.32 J14.33 R19.2 R127.1 | length 8.4
  Top Copper w0.3: v1(9.79,39.593) 9.761,39.593 9.471,39.303 9.26,39.303 C83.2@9.15,39.193 9.843,38.5 C84.2@10.6,38.5 11.85,38.5 R19.2@11.95,38.6
  Bottom Copper w0.3: R127.1@5.7,39.55 6.349,39.55 6.525,39.726 6.525,39.9 J14.32@6.7,39.9 7.95,39.9 8.3,39.55 8.343,39.593 J14.33@9.15,39.593 v1(9.79,39.593)
2V8_OV9782_2: C89.2 C90.2 J15.32 J15.33 R128.1 R170.2 | length 7.3
  Top Copper w0.3: v1(-9.79,49.207) -9.761,49.207 -9.671,49.117 -9.26,49.117 -8.915,48.772 -8.372,48.772 -8.25,48.65 C90.2@-8.15,48.65 -7.05,48.65 -6.75,48.95 -7.089,49.288 v1(-7.626,49.288)
  Bottom Copper w0.3: v1(-9.79,49.207) J15.33@-9.15,49.207 ; v1(-7.626,49.288) -7.237,48.9 -6.05,48.9 -5.825,49.125 -5.825,49.175 -5.75,49.25 R128.1@-5.7,49.25
2V8_OV9782_3: C95.2 C96.2 J16.32 J16.33 R136.1 R177.2 | length 7.7
  Top Copper w0.25: R177.2@-10.838,-39.25 -10.838,-39.275 -10.313,-39.8 C96.2@-9.487,-39.8 -9.463,-39.825 -8.513,-39.825 C95.2@-8.488,-39.85 -8.353,-39.715 -8.149,-39.715 -7.999,-39.565 v1(-7.957,-39.565)
  Bottom Copper w0.25: J16.33@-7.387,-39.835 -6.077,-39.835 -5.77,-40.142 J16.32@-4.938,-40.142 -4.763,-40.142 -4.738,-40.117 -4.738,-40.05 -4.588,-39.9 R136.1@-3.938,-39.9
  Bottom Copper w0.3: v1(-7.957,-39.565) -7.937,-39.585 -7.812,-39.585 -7.562,-39.835 J16.33@-7.387,-39.835
2V8_OV9782_4: C101.2 C102.2 J17.32 J17.33 R137.1 R178.2 | length 9.2
  Top Copper w0.3: v1(8.419,-49.763) 8.44,-49.783 9.046,-49.783 C101.2@9.112,-49.85 9.163,-49.8 9.163,-49.9 9.562,-50.3 9.962,-50.3 C102.2@10.163,-50.5 10.363,-50.3 10.522,-50.3 11.072,-49.75 11.1,-49.75 11.569,-49.281 R178.2@11.569,-49.252
  Bottom Copper w0.102: J17.32@5.263,-49.128 J17.32@5.438,-49.128
  Bottom Copper w0.3: J17.32@5.438,-49.128 5.715,-49.128 6.022,-49.435 6.257,-49.435 ; R137.1@6.05,-51.05 6.05,-49.642 6.257,-49.435 ; v1(8.419,-49.763) 8.399,-49.742 8.195,-49.742 7.888,-49.435 J17.33@7.713,-49.435 6.257,-49.435